# Altium PCB ALCT_MEZ_SPARTAN6T.PcbDoc (part 5 of 12) (continued)
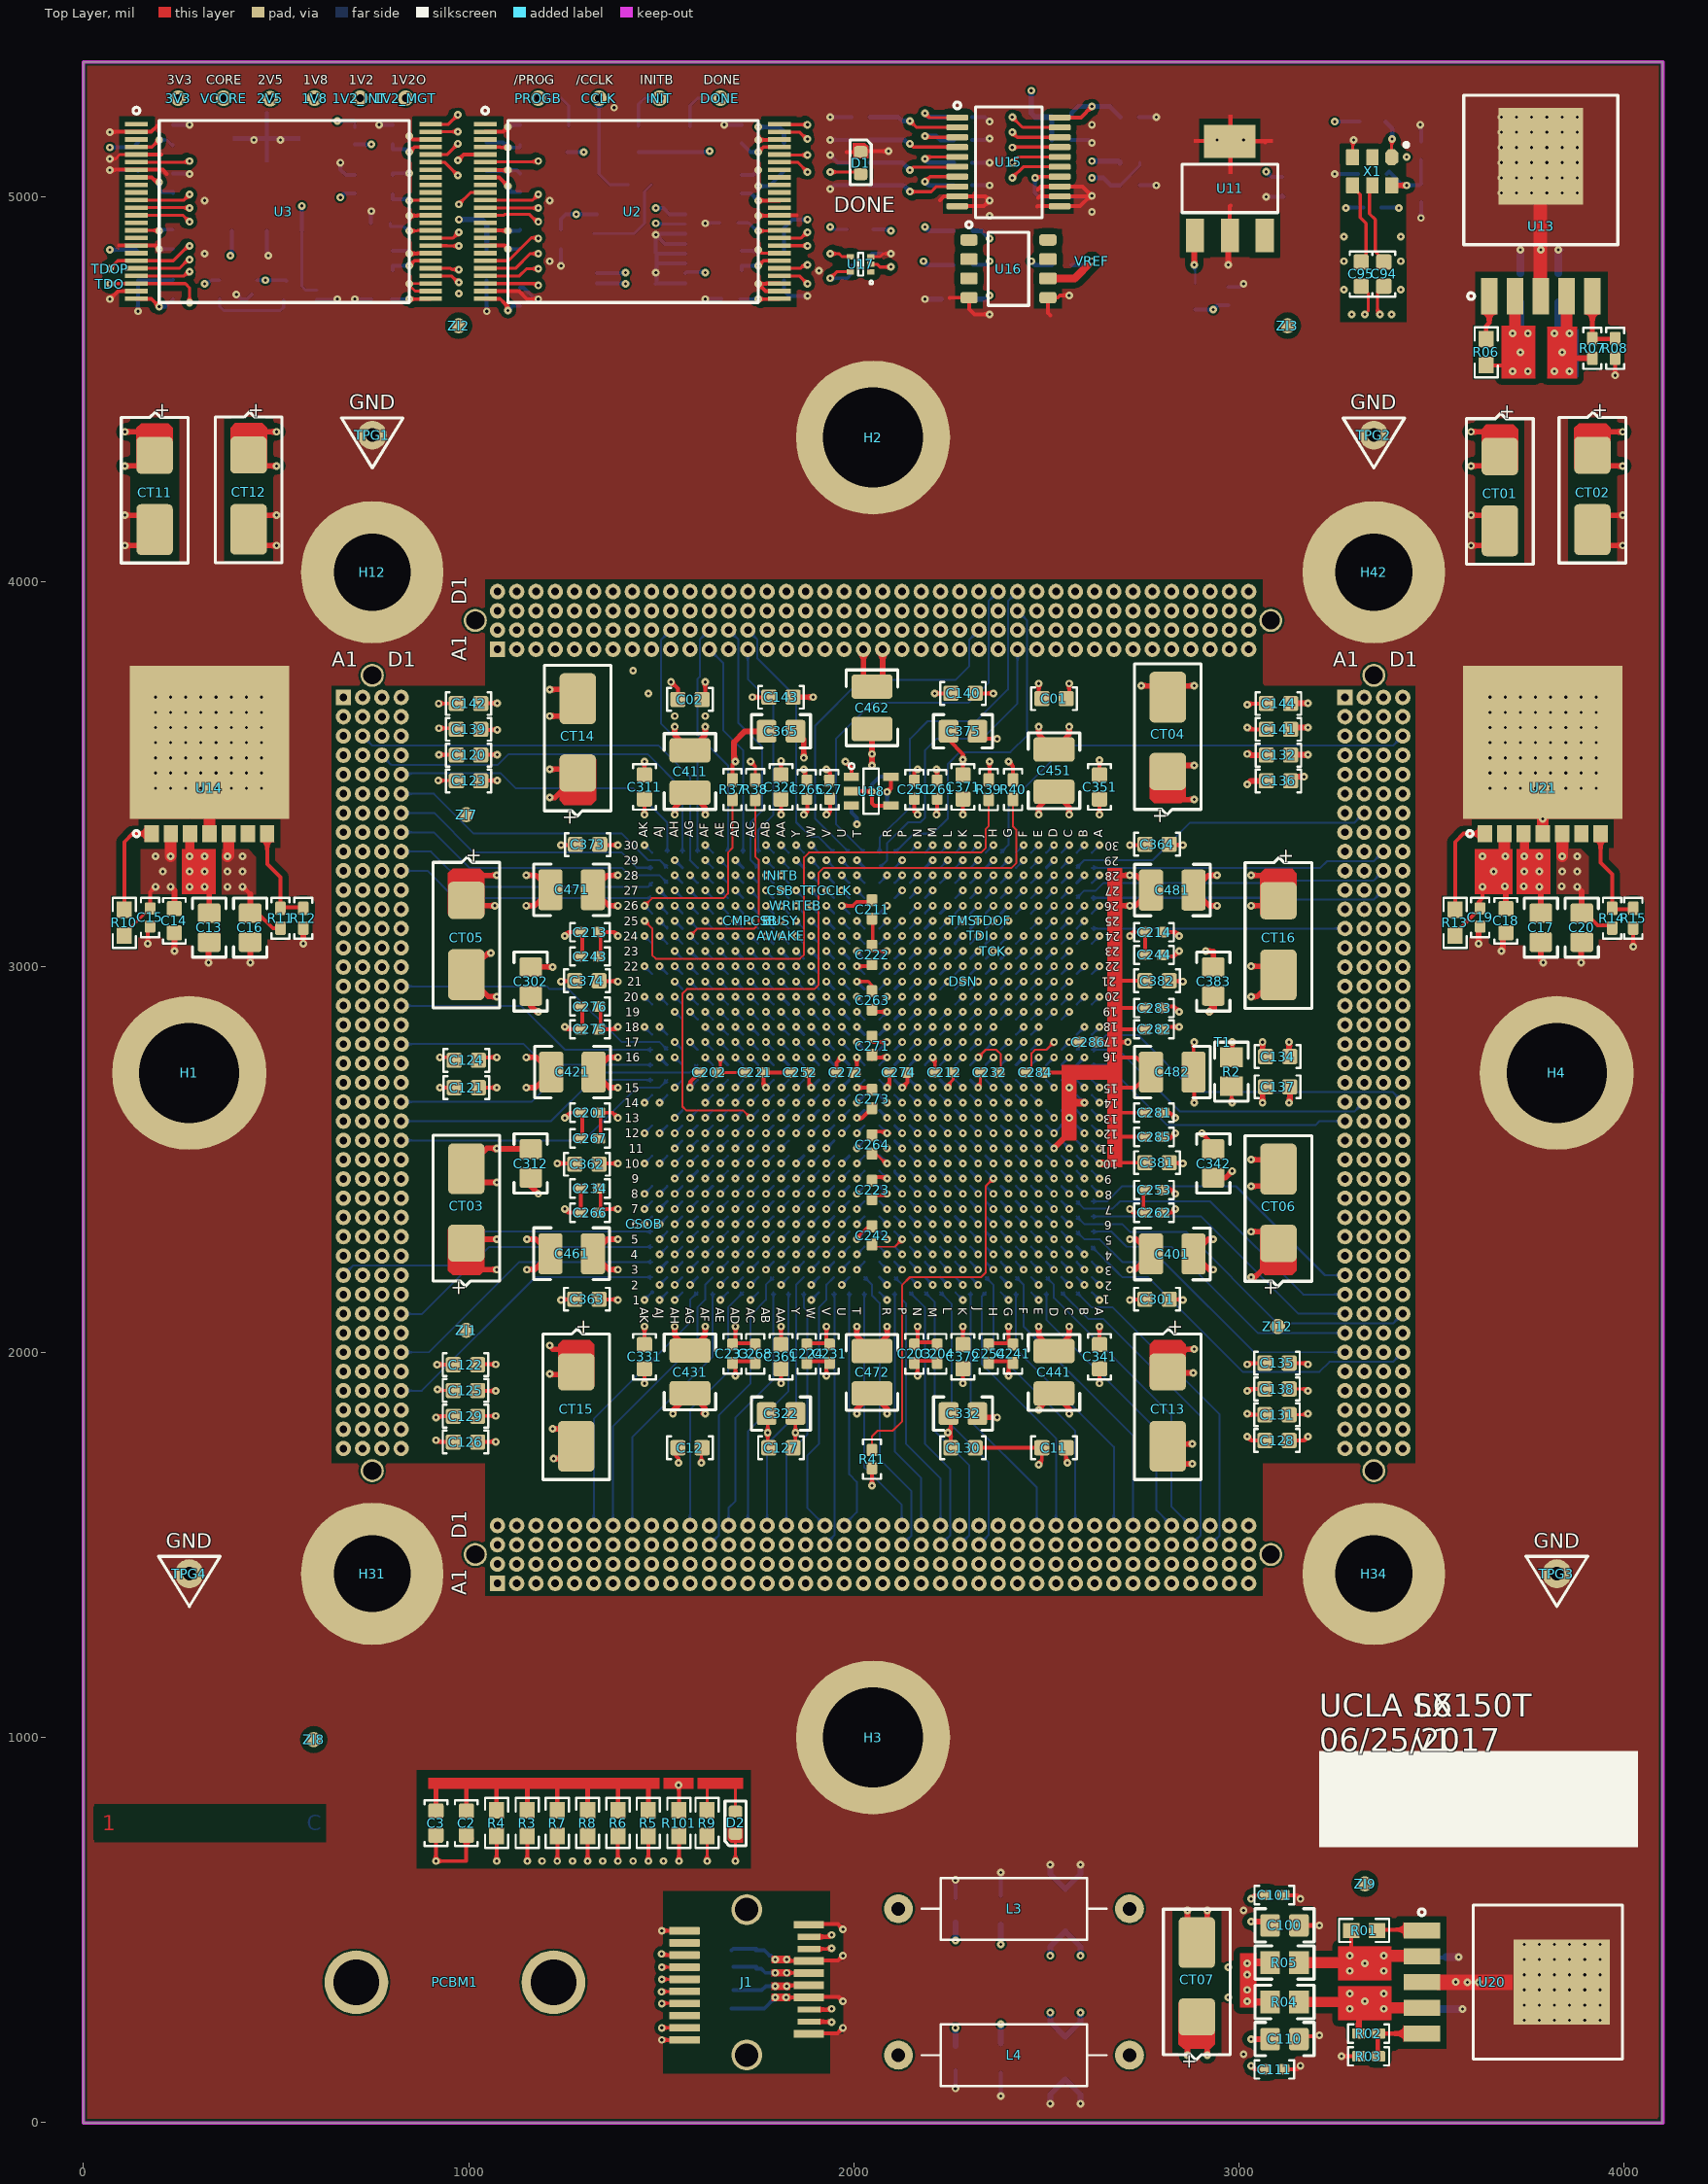
[diagram p0: Top Layer view]
## Nets (pads, with @x,y where several pads share a name; then routed paths per layer and width w, separated by ;. In a path a pad name is that pad's centre, name@x,y a point inside that pad or via, vN(x,y) a via of type N, cw(c..) or ccw(c..) an arc to the next point about the centre after c; other vN are vias at no path point) (continued)
  Mid-Layer 5 w5: v1(1181.1,4812.99) 1141.75,4852.36 1141.75,4931.08 1122.05,4950.79 1035.41,4950.79 1025.76,4960.44 966.14,4960.44 956.3,4970.29 826.98,4970.29 758.27,4901.57 255.91,4901.57 236.22,4881.89 236.22,4822.83 253.94,4805.12 v1(275.59,4805.12) 342.52,4805.12 354.33,4793.31 354.33,4753.94 344.49,4744.09 246.06,4744.09 236.22,4734.25 236.22,4566.93 246.06,4557.09 1131.89,4557.09 1350.5,4338.48 1350.5,3949.5 XP2.C7@1375,3925 ; 1360.49,3939.51 ccw(c1375,3954.02) 1375,3933.5 cw(c1375,3954.02) 1360.49,3939.51 ; 1360.49,3939.51 cw(c1345.98,3925) 1366.5,3925 ccw(c1345.98,3925) 1360.49,3939.51 ; 1351.96,3948.04 ccw(c1375,3971.09) 1375,3938.5 cw(c1375,3971.09) 1351.95,3948.05 cw(c1328.91,3925) 1361.5,3925 ccw(c1328.91,3925) 1351.96,3948.04
  Bottom Layer w6: U1.K25@2263.78,3100.39 v1(2283.48,3120.06)
unused0: U1.L27
unused1: U1.Y11
unused3: U1.G18
unused4: U1.L20
VREF: C32.1 R26.2 U15.14 U16.6 VREF.1 | length 621.8
  Top Layer w8: v1@2470.47,5052.17 U15.14@2534.45,5052.17
  Top Layer w20: U16.6@2504.07,4787.99 2573.43,4787.99 v1(2618.11,4832.68)
  Mid-Layer 5 w20: v1(2470.47,5049.21) 2550.39,4969.29 2550.39,4900.39 v1(2618.11,4832.68)
  Bottom Layer w10: v1(2470.47,5049.21) 2470.47,5009.84 2480.32,5000 C32.1@2515.75,5000 ; v1@2616.14,4834.65 v1(2618.11,4832.68)
  Bottom Layer w12: R26.2@2564.96,4822.83 2604.33,4822.83 v1@2616.14,4834.65
VTBOT: R25.1 U19.1 | length 817.3
  Mid-Layer 2 w20: v1(1535.43,3651.57) v1(1614.17,3651.57) 1929.13,3651.57 2007.87,3572.83 2007.87,3552.02 2017.72,3542.18 2017.72,3444.88 2007.87,3435.04 v1(2007.87,3371.06)
  Bottom Layer w10: U19.1@1994.09,3420.28 1994.09,3401.57 2007.87,3387.8 v1(2007.87,3371.06) ; R25.1@2309.06,4822.83 2342.52,4822.83 v1(2352.36,4832.68)
VTbot_adc: C30.1 R25.2 U15.8 | length 517
  Top Layer w8: v1(2145.67,5013.21) 2201.21,5013.21 2214.57,5026.57 U15.8@2268.7,5026.57
  Mid-Layer 4 w11.81: v1(2145.67,5013.21) 2145.67,4864.17 v1(2181.1,4832.68)
  Bottom Layer w12: C30.1@2041.34,5029.53 2129.36,5029.53 v1(2145.67,5013.21) ; v1(2181.1,4832.68) 2190.94,4822.83 R25.2@2257.87,4822.83
VTTOP: R24.1 U18.1 | length 812.7
  Top Layer w10: v1(1978.35,3533.46) 1994.09,3517.72 U18.1@1994.09,3494.09
  Mid-Layer 2 w20: v1(1427.17,3769.68) 1466.54,3730.32 v1(1466.54,3710.63) 1466.54,3617.13 1491.14,3592.52 1919.29,3592.52 v1(1978.35,3533.46)
  Bottom Layer w12: R24.1@2309.06,4911.42 2332.68,4911.42 v1(2352.36,4891.73)
VTtop_adc: C29.1 R24.2 U15.7 | length 381.8
  Top Layer w8: v1(2185.04,5039.37) 2197.83,5052.17 U15.7@2268.7,5052.17
  Mid-Layer 5 w11.81: v1(2185.04,4921.26) 2185.04,4938.08 2162.13,4960.98 2162.13,4996.78 2185.04,5019.69 v1(2185.04,5039.37)
  Bottom Layer w12: v1(2185.04,4921.26) 2194.88,4911.42 R24.2@2257.87,4911.42 ; v1(2185.04,5039.37) 2194.88,5029.53 C29.1@2259.84,5029.53
XP1A_3: U1.U24 XP1.A3 | length 1944.3
  Mid-Layer 2 w5: XP1.A3@675,3586.5 cw(c675,3553.91) 698.04,3576.96 ; XP1.A3@675,3591.5 cw(c675,3570.98) 689.51,3585.49 ; XP1.A3@675,3586.5 cw(c675,3553.91) 698.05,3576.95 ; XP1.A3@675,3591.5 cw(c675,3570.98) 689.51,3585.49 ; XP1.A3@675,3600 700.5,3574.5 1179.44,3574.5 1259.66,3494.28 1938.79,3494.28 1978.35,3454.72 1978.35,3297.24 1988.03,3287.57 1988.03,3100.21 v1(1968.51,3080.7) ; XP1.A3@683.5,3600 ccw(c704.02,3600) 689.51,3585.49 ; XP1.A3@683.5,3600 ccw(c704.02,3600) 689.51,3585.49 ; XP1.A3@688.5,3600 ccw(c721.09,3600) 698.04,3576.96 ; XP1.A3@688.5,3600 ccw(c721.09,3600) 698.05,3576.95
  Bottom Layer w6: v1(1968.51,3080.7) U1.U24@1988.19,3061.01
XP1A_4: U1.W22 XP1.A4 | length 1686.9
  Mid-Layer 7 w5: XP1.A4@675,3536.5 cw(c675,3503.91) 698.04,3526.96 ; XP1.A4@675,3541.5 cw(c675,3520.98) 689.51,3535.49 ; XP1.A4@675,3536.5 cw(c675,3503.91) 698.05,3526.95 ; XP1.A4@675,3541.5 cw(c675,3520.98) 689.51,3535.49 ; XP1.A4@675,3550 700.5,3524.5 835.15,3524.5 875.69,3483.96 875.69,3398.62 1253.34,3020.97 1448.12,3020.97 1448.62,3021.47 1870.27,3021.47 v1(1889.78,3001.96) ; XP1.A4@683.5,3550 ccw(c704.02,3550) 689.51,3535.49 ; XP1.A4@683.5,3550 ccw(c704.02,3550) 689.51,3535.49 ; XP1.A4@688.5,3550 ccw(c721.09,3550) 698.04,3526.96 ; XP1.A4@688.5,3550 ccw(c721.09,3550) 698.05,3526.95
  Bottom Layer w6: v1(1889.78,3001.96) U1.W22@1909.45,2982.28
XP1A_5: U1.Y22 XP1.A5 | length 1778.9
  Mid-Layer 5 w5: XP1.A5@675,3508.5 ccw(c675,3529.02) 689.51,3514.51 ; XP1.A5@675,3513.5 ccw(c675,3546.09) 698.04,3523.04 ccw(c721.09,3500) XP1.A5@688.5,3500 ; XP1.A5@675,3500 699.5,3524.5 1153.67,3524.5 1312.03,3366.14 1624.02,3366.14 1633.86,3356.3 1633.86,3190.94 1645.84,3178.96 1819.1,3178.96 1830.89,3167.18 1830.89,3021.47 v1(1850.39,3001.96) ; XP1.A5@675,3508.5 ccw(c675,3529.02) 689.51,3514.51 ; XP1.A5@675,3513.5 ccw(c675,3546.09) 698.05,3523.05 ccw(c721.09,3500) XP1.A5@688.5,3500 ; XP1.A5@683.5,3500 cw(c704.02,3500) 689.51,3514.51 ; XP1.A5@683.5,3500 cw(c704.02,3500) 689.51,3514.51
  Bottom Layer w6: v1(1850.39,3001.96) U1.Y22@1870.08,2982.28
XP1A_6: U1.AG28 XP1.A6 | length 1203.4
  Mid-Layer 5 w5: XP1.A6@675,3458.5 ccw(c675,3479.02) 689.51,3464.51 ; XP1.A6@675,3463.5 ccw(c675,3496.09) 698.04,3473.04 ccw(c721.09,3450) XP1.A6@688.5,3450 ; XP1.A6@675,3448.82 XP1.A6@675.59,3449.41 ; XP1.A6@675,3450 699.5,3474.5 835.15,3474.5 845.77,3463.88 1135.04,3463.88 1341.04,3257.87 1555.13,3257.87 v1(1574.82,3238.19) ; XP1.A6@675,3458.5 ccw(c675,3479.02) 689.51,3464.51 ; XP1.A6@675,3463.5 ccw(c675,3496.09) 698.05,3473.05 ccw(c721.09,3450) XP1.A6@688.5,3450 ; XP1.A6@683.5,3450 cw(c704.02,3450) 689.51,3464.51 ; XP1.A6@683.5,3450 cw(c704.02,3450) 689.51,3464.51
  Bottom Layer w6: v1(1574.82,3238.19) U1.AG28@1594.49,3218.5
XP1A_7: U1.AH27 XP1.A7 | length 1160
  Mid-Layer 5 w5: XP1.A7@675,3408.5 ccw(c675,3429.02) 689.51,3414.51 ; XP1.A7@675,3413.5 ccw(c675,3446.09) 698.04,3423.04 ccw(c721.09,3400) XP1.A7@688.5,3400 ; XP1.A7@675,3398.82 XP1.A7@675.59,3399.41 ; XP1.A7@675,3400 700,3425 1104.51,3425 1311.01,3218.5 1515.75,3218.5 v1(1535.44,3198.81) ; XP1.A7@675,3408.5 ccw(c675,3429.02) 689.51,3414.51 ; XP1.A7@675,3413.5 ccw(c675,3446.09) 698.05,3423.05 ccw(c721.09,3400) XP1.A7@688.5,3400 ; XP1.A7@683.5,3400 cw(c704.02,3400) 689.51,3414.51 ; XP1.A7@683.5,3400 cw(c704.02,3400) 689.51,3414.51
  Bottom Layer w6: v1(1535.44,3198.81) U1.AH27@1555.12,3179.13
XP1A_8: U1.AG26 XP1.A8 | length 1194.6
  Mid-Layer 5 w5: XP1.A8@675,3358.5 ccw(c675,3379.02) 689.51,3364.51 ; XP1.A8@675,3363.5 ccw(c675,3396.09) 698.04,3373.04 ccw(c721.09,3350) XP1.A8@688.5,3350 ; XP1.A8@675,3348.82 XP1.A8@675.59,3349.41 ; XP1.A8@675,3350 699.5,3374.5 1094,3374.5 1289.37,3179.13 1555.12,3179.13 v1(1574.81,3159.45) ; XP1.A8@675,3358.5 ccw(c675,3379.02) 689.51,3364.51 ; XP1.A8@675,3363.5 ccw(c675,3396.09) 698.05,3373.05 ccw(c721.09,3350) XP1.A8@688.5,3350 ; XP1.A8@683.5,3350 cw(c704.02,3350) 689.51,3364.51 ; XP1.A8@683.5,3350 cw(c704.02,3350) 689.51,3364.51
  Bottom Layer w6: v1(1574.81,3159.45) U1.AG26@1594.49,3139.76
XP1A_9: U1.AA22 XP1.A9 | length 1538
  Mid-Layer 5 w5: XP1.A9@675,3308.5 ccw(c675,3329.02) 689.51,3314.51 ; XP1.A9@675,3313.5 ccw(c675,3346.09) 698.04,3323.04 ccw(c721.09,3300) XP1.A9@688.5,3300 ; XP1.A9@675,3298.82 XP1.A9@675.59,3299.41 ; XP1.A9@675,3300 700,3325 1090.37,3325 1275.79,3139.58 1476.37,3139.58 1779.74,3139.57 1791.52,3127.79 1791.52,3024 1811.03,3004.49 v1(1811.03,3001.96) ; XP1.A9@675,3308.5 ccw(c675,3329.02) 689.51,3314.51 ; XP1.A9@675,3313.5 ccw(c675,3346.09) 698.05,3323.05 ccw(c721.09,3300) XP1.A9@688.5,3300 ; XP1.A9@683.5,3300 cw(c704.02,3300) 689.51,3314.51 ; XP1.A9@683.5,3300 cw(c704.02,3300) 689.51,3314.51
  Bottom Layer w6: v1(1811.03,3001.96) U1.AA22@1830.71,2982.28
XP1A_10: U1.W21 XP1.A10 | length 1605.4
  Mid-Layer 5 w5: XP1.A10@675,3258.5 ccw(c675,3279.02) 689.51,3264.51 ; XP1.A10@675,3263.5 ccw(c675,3296.09) 698.04,3273.04 ccw(c721.09,3250) XP1.A10@688.5,3250 ; XP1.A10@675,3248.82 XP1.A10@675.59,3249.41 ; XP1.A10@675,3250 700,3275 1077.85,3275 1252.6,3100.26 1722.44,3100.26 1722.5,3100.2 1740.37,3100.2 1752.16,3088.41 1752.16,2993.89 1763.95,2982.1 1870.28,2982.1 v1(1889.78,2962.6) ; XP1.A10@675,3258.5 ccw(c675,3279.02) 689.51,3264.51 ; XP1.A10@675,3263.5 ccw(c675,3296.09) 698.05,3273.05 ccw(c721.09,3250) XP1.A10@688.5,3250 ; XP1.A10@683.5,3250 cw(c704.02,3250) 689.51,3264.51 ; XP1.A10@683.5,3250 cw(c704.02,3250) 689.51,3264.51
  Bottom Layer w6: v1(1889.78,2962.6) U1.W21@1909.45,2942.91
XP1A_11: U1.AC22 XP1.A11 | length 1334
  Mid-Layer 5 w5: XP1.A11@675,3186.5 cw(c675,3153.91) 698.04,3176.96 ; XP1.A11@675,3191.5 cw(c675,3170.98) 689.51,3185.49 ; XP1.A11@675,3186.5 cw(c675,3153.91) 698.05,3176.95 ; XP1.A11@675,3191.5 cw(c675,3170.98) 689.51,3185.49 ; XP1.A11@675,3200 700,3175 1024.79,3175 1177.96,3021.82 1709.9,3021.82 1729.76,3001.96 v1(1732.29,3001.96) ; XP1.A11@683.5,3200 ccw(c704.02,3200) 689.51,3185.49 ; XP1.A11@683.5,3200 ccw(c704.02,3200) 689.51,3185.49 ; XP1.A11@688.5,3200 ccw(c721.09,3200) 698.04,3176.96 ; XP1.A11@688.5,3200 ccw(c721.09,3200) 698.05,3176.95
  Bottom Layer w6: v1(1732.29,3001.96) U1.AC22@1751.98,2982.28
XP1A_12: U1.AC21 XP1.A12 | length 1331.4
  Mid-Layer 5 w5: XP1.A12@675,3136.5 cw(c675,3103.91) 698.04,3126.96 ; XP1.A12@675,3141.5 cw(c675,3120.98) 689.51,3135.49 ; XP1.A12@675,3136.5 cw(c675,3103.91) 698.05,3126.95 ; XP1.A12@675,3141.5 cw(c675,3120.98) 689.51,3135.49 ; XP1.A12@675,3150 699.5,3125.5 952.71,3125.5 953.24,3126.04 1007.82,3126.04 1153.36,2980.5 1226.58,2980.5 1228.18,2982.1 1712.79,2982.1 v1(1732.29,2962.6) ; XP1.A12@683.5,3150 ccw(c704.02,3150) 689.51,3135.49 ; XP1.A12@683.5,3150 ccw(c704.02,3150) 689.51,3135.49 ; XP1.A12@688.5,3150 ccw(c721.09,3150) 698.04,3126.96 ; XP1.A12@688.5,3150 ccw(c721.09,3150) 698.05,3126.95
  Bottom Layer w6: v1(1732.29,2962.6) U1.AC21@1751.98,2942.91
XP1A_13: U1.AB21 XP1.A13 | length 1367
  Mid-Layer 5 w5: XP1.A13@675,3086.5 cw(c675,3053.91) 698.04,3076.96 ; XP1.A13@675,3091.5 cw(c675,3070.98) 689.51,3085.49 ; XP1.A13@675,3086.5 cw(c675,3053.91) 698.05,3076.95 ; XP1.A13@675,3091.5 cw(c675,3070.98) 689.51,3085.49 ; XP1.A13@675,3100 700,3075 991.91,3075 1123.82,2943.09 1752.15,2943.09 v1(1771.66,2962.6) v1@1769.13,2962.6 ; XP1.A13@683.5,3100 ccw(c704.02,3100) 689.51,3085.49 ; XP1.A13@683.5,3100 ccw(c704.02,3100) 689.51,3085.49 ; XP1.A13@688.5,3100 ccw(c721.09,3100) 698.04,3076.96 ; XP1.A13@688.5,3100 ccw(c721.09,3100) 698.05,3076.95
  Bottom Layer w6: v1(1771.66,2962.6) U1.AB21@1791.34,2942.91
XP1A_14: U1.AC19 XP1.A14 | length 1320.8
  Mid-Layer 5 w5: XP1.A14@675,3036.5 cw(c675,3003.91) 698.04,3026.96 ; XP1.A14@675,3041.5 cw(c675,3020.98) 689.51,3035.49 ; XP1.A14@675,3036.5 cw(c675,3003.91) 698.05,3026.95 ; XP1.A14@675,3041.5 cw(c675,3020.98) 689.51,3035.49 ; XP1.A14@675,3050 700,3025 998.64,3025 1119.96,2903.68 1712.46,2903.68 v1(1732.3,2883.84) ; XP1.A14@683.5,3050 ccw(c704.02,3050) 689.51,3035.49 ; XP1.A14@683.5,3050 ccw(c704.02,3050) 689.51,3035.49 ; XP1.A14@688.5,3050 ccw(c721.09,3050) 698.04,3026.96 ; XP1.A14@688.5,3050 ccw(c721.09,3050) 698.05,3026.95
  Bottom Layer w6: v1(1732.3,2883.84) U1.AC19@1751.98,2864.16
XP1A_15: U1.AB19 XP1.A15 | length 1355.6
  Mid-Layer 5 w5: XP1.A15@675,2986.5 cw(c675,2953.91) 698.04,2976.96 ; XP1.A15@675,2991.5 cw(c675,2970.98) 689.51,2985.49 ; XP1.A15@675,2986.5 cw(c675,2953.91) 698.05,2976.95 ; XP1.A15@675,2991.5 cw(c675,2970.98) 689.51,2985.49 ; XP1.A15@675,3000 700,2975 993.49,2975 1104.16,2864.33 1752.16,2864.33 v1(1771.67,2883.84) ; XP1.A15@683.5,3000 ccw(c704.02,3000) 689.51,2985.49 ; XP1.A15@683.5,3000 ccw(c704.02,3000) 689.51,2985.49 ; XP1.A15@688.5,3000 ccw(c721.09,3000) 698.04,2976.96 ; XP1.A15@688.5,3000 ccw(c721.09,3000) 698.05,2976.95
  Bottom Layer w6: v1(1771.67,2883.84) U1.AB19@1791.34,2864.17
XP1A_16: U1.AB18 XP1.A16 | length 1351.2
  Mid-Layer 5 w5: XP1.A16@675,2936.5 cw(c675,2903.91) 698.04,2926.96 ; XP1.A16@675,2941.5 cw(c675,2920.98) 689.51,2935.49 ; XP1.A16@675,2936.5 cw(c675,2903.91) 698.05,2926.95 ; XP1.A16@675,2941.5 cw(c675,2920.98) 689.51,2935.49 ; XP1.A16@675,2950 700,2925 982.48,2925 1082.51,2824.97 1752.15,2824.97 v1(1771.66,2844.48) ; XP1.A16@683.5,2950 ccw(c704.02,2950) 689.51,2935.49 ; XP1.A16@683.5,2950 ccw(c704.02,2950) 689.51,2935.49 ; XP1.A16@688.5,2950 ccw(c721.09,2950) 698.04,2926.96 ; XP1.A16@688.5,2950 ccw(c721.09,2950) 698.05,2926.95
  Bottom Layer w6: v1(1771.66,2844.48) U1.AB18@1791.34,2824.8
XP1A_17: U1.Y12 XP1.A17 | length 1648
  Mid-Layer 4 w5: XP1.A17@675,2908.5 ccw(c675,2929.02) 689.51,2914.51 ; XP1.A17@675,2913.5 ccw(c675,2946.09) 698.04,2923.04 ccw(c721.09,2900) XP1.A17@688.5,2900 ; XP1.A17@675,2900 700,2925 875.98,2925 1054.92,2746.06 1850.39,2746.06 1870.08,2726.38 1870.08,2657.67 1869.89,2657.48 1869.89,2588.39 v1(1850.39,2568.89) ; XP1.A17@675,2908.5 ccw(c675,2929.02) 689.51,2914.51 ; XP1.A17@675,2913.5 ccw(c675,2946.09) 698.05,2923.05 ccw(c721.09,2900) XP1.A17@688.5,2900 ; XP1.A17@683.5,2900 cw(c704.02,2900) 689.51,2914.51 ; XP1.A17@683.5,2900 cw(c704.02,2900) 689.51,2914.51
  Bottom Layer w6: v1(1850.39,2568.89) U1.Y12@1870.08,2588.58
XP1A_18: U1.AA17 XP1.A18 | length 1365.6
  Mid-Layer 5 w5: XP1.A18@675,2836.5 cw(c675,2803.91) 698.04,2826.96 ; XP1.A18@675,2841.5 cw(c675,2820.98) 689.51,2835.49 ; XP1.A18@675,2836.5 cw(c675,2803.91) 698.05,2826.95 ; XP1.A18@675,2841.5 cw(c675,2820.98) 689.51,2835.49 ; XP1.A18@675,2850 700,2825 1023.42,2825 1062.99,2785.43 1791.35,2785.43 v1(1811.03,2805.11) ; XP1.A18@683.5,2850 ccw(c704.02,2850) 689.51,2835.49 ; XP1.A18@683.5,2850 ccw(c704.02,2850) 689.51,2835.49 ; XP1.A18@688.5,2850 ccw(c721.09,2850) 698.04,2826.96 ; XP1.A18@688.5,2850 ccw(c721.09,2850) 698.05,2826.95
  Bottom Layer w6: v1(1811.03,2805.11) U1.AA17@1830.71,2785.43
XP1A_19: U1.Y17 XP1.A19 | length 1450.5
  Mid-Layer 7 w5: XP1.A19@675,2786.5 cw(c675,2753.91) 698.04,2776.96 ; XP1.A19@675,2791.5 cw(c675,2770.98) 689.51,2785.49 ; XP1.A19@675,2786.5 cw(c675,2753.91) 698.05,2776.95 ; XP1.A19@675,2791.5 cw(c675,2770.98) 689.51,2785.49 ; XP1.A19@675,2800 700,2775 875.98,2775 924.61,2726.38 1801.18,2726.38 1830.89,2756.09 1830.89,2785.61 v1(1850.39,2805.11) ; XP1.A19@683.5,2800 ccw(c704.02,2800) 689.51,2785.49 ; XP1.A19@683.5,2800 ccw(c704.02,2800) 689.51,2785.49 ; XP1.A19@688.5,2800 ccw(c721.09,2800) 698.04,2776.96 ; XP1.A19@688.5,2800 ccw(c721.09,2800) 698.05,2776.95
  Bottom Layer w6: v1(1850.39,2805.11) U1.Y17@1870.08,2785.43
XP1A_22: U1.W14 XP1.A22 | length 1558.9
  Mid-Layer 5 w5: XP1.A22@675,2658.5 ccw(c675,2679.02) 689.51,2664.51 ; XP1.A22@675,2663.5 ccw(c675,2696.09) 698.04,2673.04 ccw(c721.09,2650) XP1.A22@688.5,2650 ; XP1.A22@675,2648.82 XP1.A22@675.59,2649.41 ; XP1.A22@675,2650 700,2675 885.61,2675 956.67,2746.06 1879.92,2746.06 1909.28,2716.71 1909.28,2667.55 1889.78,2648.05 v1(1889.78,2647.63) ; XP1.A22@675,2658.5 ccw(c675,2679.02) 689.51,2664.51 ; XP1.A22@675,2663.5 ccw(c675,2696.09) 698.05,2673.05 ccw(c721.09,2650) XP1.A22@688.5,2650 ; XP1.A22@683.5,2650 cw(c704.02,2650) 689.51,2664.51 ; XP1.A22@683.5,2650 cw(c704.02,2650) 689.51,2664.51
  Bottom Layer w6: v1(1889.78,2647.63) U1.W14@1909.46,2667.31
XP1A_23: U1.Y15 XP1.A23 | length 1433.4
  Mid-Layer 5 w5: XP1.A23@675,2608.5 ccw(c675,2629.02) 689.51,2614.51 ; XP1.A23@675,2613.5 ccw(c675,2646.09) 698.04,2623.04 ccw(c721.09,2600) XP1.A23@688.5,2600 ; XP1.A23@675,2598.82 676.19,2600 XP1.A23@675,2600 700,2625 929.63,2625 1021.16,2716.54 1820.85,2716.54 v1(1850.39,2686.99) ; XP1.A23@675,2608.5 ccw(c675,2629.02) 689.51,2614.51 ; XP1.A23@675,2613.5 ccw(c675,2646.09) 698.05,2623.05 ccw(c721.09,2600) XP1.A23@688.5,2600 ; XP1.A23@683.5,2600 cw(c704.02,2600) 689.51,2614.51 ; XP1.A23@683.5,2600 cw(c704.02,2600) 689.51,2614.51
  Bottom Layer w6: v1(1850.39,2686.99) U1.Y15@1870.08,2706.69
XP1A_24: U1.AC14 XP1.A24 | length 1309.4
  Mid-Layer 5 w5: XP1.A24@675,2558.5 ccw(c675,2579.02) 689.51,2564.51 ; XP1.A24@675,2563.5 ccw(c675,2596.09) 698.04,2573.04 ccw(c721.09,2550) XP1.A24@688.5,2550 ; XP1.A24@675,2548.82 XP1.A24@675.59,2549.41 ; XP1.A24@675,2550 700,2575 941.14,2575 1033.28,2667.14 1712.78,2667.14 v1(1732.29,2647.63) ; XP1.A24@675,2558.5 ccw(c675,2579.02) 689.51,2564.51 ; XP1.A24@675,2563.5 ccw(c675,2596.09) 698.05,2573.05 ccw(c721.09,2550) XP1.A24@688.5,2550 ; XP1.A24@683.5,2550 cw(c704.02,2550) 689.51,2564.51 ; XP1.A24@683.5,2550 cw(c704.02,2550) 689.51,2564.51
  Bottom Layer w6: v1(1732.29,2647.63) U1.AC14@1751.98,2667.31
XP1A_25: U1.AB14 XP1.A25 | length 1353.3
  Mid-Layer 5 w5: XP1.A25@675,2508.5 ccw(c675,2529.02) 689.51,2514.51 ; XP1.A25@675,2513.5 ccw(c675,2546.09) 698.04,2523.04 ccw(c721.09,2500) XP1.A25@688.5,2500 ; XP1.A25@675,2498.82 XP1.A25@675.59,2499.41 ; XP1.A25@675,2500 700,2525 967.42,2525 1070.2,2627.78 1751.81,2627.78 v1(1771.66,2647.63) ; XP1.A25@675,2508.5 ccw(c675,2529.02) 689.51,2514.51 ; XP1.A25@675,2513.5 ccw(c675,2546.09) 698.05,2523.05 ccw(c721.09,2500) XP1.A25@688.5,2500 ; XP1.A25@683.5,2500 cw(c704.02,2500) 689.51,2514.51 ; XP1.A25@683.5,2500 cw(c704.02,2500) 689.51,2514.51
  Bottom Layer w6: v1(1771.66,2647.63) U1.AB14@1791.34,2667.31
XP1A_26: U1.AC12 XP1.A26 | length 1318.2
  Mid-Layer 5 w5: XP1.A26@675,2458.5 ccw(c675,2479.02) 689.51,2464.51 ; XP1.A26@675,2463.5 ccw(c675,2496.09) 698.04,2473.04 ccw(c721.09,2450) XP1.A26@688.5,2450 ; XP1.A26@675,2448.82 XP1.A26@675.59,2449.41 ; XP1.A26@675,2450 700,2475 990.73,2475 1104.13,2588.4 1712.79,2588.4 v1(1732.29,2568.89) ; XP1.A26@675,2458.5 ccw(c675,2479.02) 689.51,2464.51 ; XP1.A26@675,2463.5 ccw(c675,2496.09) 698.05,2473.05 ccw(c721.09,2450) XP1.A26@688.5,2450 ; XP1.A26@683.5,2450 cw(c704.02,2450) 689.51,2464.51 ; XP1.A26@683.5,2450 cw(c704.02,2450) 689.51,2464.51
  Bottom Layer w6: v1(1732.29,2568.89) U1.AC12@1751.98,2588.58
XP1A_27: U1.AB12 XP1.A27 | length 1362.2
  Mid-Layer 5 w5: XP1.A27@675,2408.5 ccw(c675,2429.02) 689.51,2414.51 ; XP1.A27@675,2413.5 ccw(c675,2446.09) 698.04,2423.04 ccw(c721.09,2400) XP1.A27@688.5,2400 ; XP1.A27@675,2398.82 XP1.A27@675.59,2399.41 ; XP1.A27@675,2400 700,2425 1029.31,2425 1153.47,2549.16 1740.42,2549.16 1740.55,2549.04 1751.8,2549.04 v1(1771.66,2568.89) ; XP1.A27@675,2408.5 ccw(c675,2429.02) 689.51,2414.51 ; XP1.A27@675,2413.5 ccw(c675,2446.09) 698.05,2423.05 ccw(c721.09,2400) XP1.A27@688.5,2400 ; XP1.A27@683.5,2400 cw(c704.02,2400) 689.51,2414.51 ; XP1.A27@683.5,2400 cw(c704.02,2400) 689.51,2414.51
  Bottom Layer w6: v1(1771.66,2568.89) U1.AB12@1791.34,2588.58
XP1A_28: U1.AC11 XP1.A28 | length 1329.2
  Mid-Layer 5 w5: XP1.A28@675,2358.5 ccw(c675,2379.02) 689.51,2364.51 ; XP1.A28@675,2363.5 ccw(c675,2396.09) 698.04,2373.04 ccw(c721.09,2350) XP1.A28@688.5,2350 ; XP1.A28@675,2348.82 676.19,2350 XP1.A28@675,2350 700,2375 1065.95,2375 1200.79,2509.84 1712.61,2509.84 v1(1732.29,2529.53) ; XP1.A28@675,2358.5 ccw(c675,2379.02) 689.51,2364.51 ; XP1.A28@675,2363.5 ccw(c675,2396.09) 698.05,2373.05 ccw(c721.09,2350) XP1.A28@688.5,2350 ; XP1.A28@683.5,2350 cw(c704.02,2350) 689.51,2364.51 ; XP1.A28@683.5,2350 cw(c704.02,2350) 689.51,2364.51
  Bottom Layer w6: v1(1732.29,2529.53) U1.AC11@1751.98,2549.21
XP1A_29: U1.AD10 XP1.A29 | length 1294.2
  Mid-Layer 5 w5: XP1.A29@675,2308.5 ccw(c675,2329.02) 689.51,2314.51 ; XP1.A29@675,2313.5 ccw(c675,2346.09) 698.04,2323.04 ccw(c721.09,2300) XP1.A29@688.5,2300 ; XP1.A29@675,2298.82 676.18,2300 XP1.A29@675,2300 700,2325 1067.11,2325 1212.4,2470.3 1673.08,2470.3 v1(1692.93,2490.14) ; XP1.A29@675,2308.5 ccw(c675,2329.02) 689.51,2314.51 ; XP1.A29@675,2313.5 ccw(c675,2346.09) 698.05,2323.05 ccw(c721.09,2300) XP1.A29@688.5,2300 ; XP1.A29@683.5,2300 cw(c704.02,2300) 689.51,2314.51 ; XP1.A29@683.5,2300 cw(c704.02,2300) 689.51,2314.51
  Bottom Layer w6: v1(1692.93,2490.14) U1.AD10@1712.6,2509.84
XP1A_30: U1.AD8 XP1.A30 | length 1299.8
  Mid-Layer 5 w5: XP1.A30@675,2236.5 cw(c675,2203.91) 698.04,2226.96 ; XP1.A30@675,2241.5 cw(c675,2220.98) 689.51,2235.49 ; XP1.A30@675,2236.5 cw(c675,2203.91) 698.05,2226.95 ; XP1.A30@675,2241.5 cw(c675,2220.98) 689.51,2235.49 ; XP1.A30@675,2250 699.5,2225.5 856.81,2225.5 865.37,2234.07 1141.55,2234.07 1299.04,2391.56 1673.07,2391.56 v1(1692.93,2411.41) ; XP1.A30@683.5,2250 ccw(c704.02,2250) 689.51,2235.49 ; XP1.A30@683.5,2250 ccw(c704.02,2250) 689.51,2235.49 ; XP1.A30@688.5,2250 ccw(c721.09,2250) 698.04,2226.96 ; XP1.A30@688.5,2250 ccw(c721.09,2250) 698.05,2226.95
  Bottom Layer w6: v1(1692.93,2411.41) U1.AD8@1712.6,2431.1
XP1A_31: U1.AK5 XP1.A31 | length 1042
  Bottom Layer w5: XP1.A31@675,2208.5 ccw(c675,2229.02) 689.51,2214.51 ; XP1.A31@675,2213.5 ccw(c675,2246.09) 698.04,2223.04 ccw(c721.09,2200) XP1.A31@688.5,2200 ; XP1.A31@675,2198.82 676.18,2200 XP1.A31@675,2200 700,2225 955.31,2225 1043.31,2312.99 U1.AK5@1476.38,2312.99 ; XP1.A31@675,2208.5 ccw(c675,2229.02) 689.51,2214.51 ; XP1.A31@675,2213.5 ccw(c675,2246.09) 698.05,2223.05 ccw(c721.1,2200) XP1.A31@688.5,2200 ; XP1.A31@683.5,2200 cw(c704.02,2200) 689.51,2214.51 ; XP1.A31@683.5,2200 cw(c704.02,2200) 689.51,2214.51 ; U1.AK5@1471.88,2308.5 ccw(c1461.03,2297.64) 1461.03,2312.99 ccw(c1461.03,2328.34) U1.AK5@1471.88,2317.49
XP1A_32: U1.AG7 XP1.A32 | length 1206.4
  Mid-Layer 5 w5: XP1.A32@675,2136.5 cw(c675,2106.75) 696.03,2127.79 ccw(c675,2106.77) XP1.A32@675,2136.5 ; XP1.A32@675,2141.5 cw(c675,2123.82) 687.5,2136.32 ccw(c675,2123.84) XP1.A32@675,2141.5 ; XP1.A32@675,2148.82 698.82,2125 ; XP1.A32@683.5,2149.99 ccw(c706.73,2149.95) 690.3,2133.52 cw(c706.73,2149.94) XP1.A32@683.5,2149.98 ; XP1.A32@688.5,2149.98 ccw(c723.74,2149.92) 698.82,2125 ; XP1.A32@688.5,2149.97 ccw(c723.72,2149.9) 698.82,2125 ; v1(1574.81,2372.04) 1555.13,2352.36 1316.95,2352.36 1089.59,2125 698.82,2125
  Bottom Layer w6: v1(1574.81,2372.04) U1.AG7@1594.49,2391.73
XP1A_33: U1.AF9 XP1.A33 | length 1299.9
  Mid-Layer 4 w5: XP1.A33@675,2086.5 cw(c675,2053.91) 698.04,2076.96 ; XP1.A33@675,2091.5 cw(c675,2070.98) 689.51,2085.49 ; XP1.A33@675,2086.5 cw(c675,2053.91) 698.05,2076.95 ; XP1.A33@675,2091.5 cw(c675,2070.98) 689.51,2085.49 ; XP1.A33@675,2100 700,2075 1054.04,2075 1410.14,2431.1 1594.5,2431.1 v1(1614.18,2450.78) ; XP1.A33@683.5,2100 ccw(c704.02,2100) 689.51,2085.49 ; XP1.A33@683.5,2100 ccw(c704.02,2100) 689.51,2085.49 ; XP1.A33@688.5,2100 ccw(c721.09,2100) 698.04,2076.96 ; XP1.A33@688.5,2100 ccw(c721.09,2100) 698.05,2076.95
  Bottom Layer w6: v1(1614.18,2450.78) U1.AF9@1633.86,2470.47
XP1A_34: U1.AD7 XP1.A34 | length 1356.1
  Mid-Layer 5 w5: XP1.A34@675,2058.5 ccw(c675,2079.02) 689.51,2064.51 ; XP1.A34@675,2063.5 ccw(c675,2096.09) 698.04,2073.04 ccw(c721.09,2050) XP1.A34@688.5,2050 ; XP1.A34@675,2048.82 XP1.A34@675.59,2049.41 ; XP1.A34@675,2050 700,2075 1093.21,2075 1331.39,2313.18 1622.25,2313.18 1634.06,2324.98 1634.06,2340.75 1645.48,2352.18 1673.06,2352.18 v1(1692.93,2372.04) ; XP1.A34@675,2058.5 ccw(c675,2079.02) 689.51,2064.51 ; XP1.A34@675,2063.5 ccw(c675,2096.09) 698.05,2073.05 ccw(c721.09,2050) XP1.A34@688.5,2050 ; XP1.A34@683.5,2050 cw(c704.02,2050) 689.51,2064.51 ; XP1.A34@683.5,2050 cw(c704.02,2050) 689.51,2064.51
  Bottom Layer w6: v1(1692.93,2372.04) U1.AD7@1712.6,2391.73
XP1A_35: U1.AF6 XP1.A35 | length 1292.4
  Mid-Layer 4 w5: XP1.A35@675,1986.5 cw(c675,1953.91) 698.04,1976.96 ; XP1.A35@675,1991.5 cw(c675,1970.98) 689.51,1985.49 ; XP1.A35@675,1986.5 cw(c675,1953.91) 698.05,1976.95 ; XP1.A35@675,1991.5 cw(c675,1970.98) 689.51,1985.49 ; XP1.A35@675,2000 700,1975 866.73,1975 885.83,1994.09 1127.95,1994.09 1446.85,2312.99 1594.49,2312.99 v1(1614.18,2332.68) ; XP1.A35@683.5,2000 ccw(c704.02,2000) 689.51,1985.49 ; XP1.A35@683.5,2000 ccw(c704.02,2000) 689.51,1985.49 ; XP1.A35@688.5,2000 ccw(c721.09,2000) 698.04,1976.96 ; XP1.A35@688.5,2000 ccw(c721.09,2000) 698.05,1976.95
  Bottom Layer w6: v1(1614.18,2332.68) U1.AF6@1633.86,2352.36
XP1A_36: U1.AC9 XP1.A36 | length 1533.8
  Mid-Layer 5 w5: XP1.A36@675,1958.5 ccw(c675,1979.02) 689.51,1964.51 ; XP1.A36@675,1963.5 ccw(c675,1996.09) 698.04,1973.04 ccw(c721.09,1950) XP1.A36@688.5,1950 ; XP1.A36@675,1948.82 676.19,1950 XP1.A36@675,1950 700,1975 852.95,1975 865.96,1988 1064.76,1988 1350.38,2273.62 1661.46,2273.62 1673.06,2285.22 1673.06,2301.03 1684.84,2312.81 1700.63,2312.81 1712.43,2324.6 1712.43,2430.91 v1(1732.29,2450.78) ; XP1.A36@675,1958.5 ccw(c675,1979.02) 689.51,1964.51 ; XP1.A36@675,1963.5 ccw(c675,1996.09) 698.05,1973.05 ccw(c721.09,1950) XP1.A36@688.5,1950 ; XP1.A36@683.5,1950 cw(c704.02,1950) 689.51,1964.51 ; XP1.A36@683.5,1950 cw(c704.02,1950) 689.51,1964.51
  Bottom Layer w6: v1(1732.29,2450.78) U1.AC9@1751.98,2470.46
XP1A_37: U1.AG4 XP1.A37 | length 1242.3
  Mid-Layer 4 w5: XP1.A37@675,1908.5 ccw(c675,1929.02) 689.51,1914.51 ; XP1.A37@675,1913.5 ccw(c675,1946.09) 698.04,1923.04 ccw(c721.09,1900) XP1.A37@688.5,1900 ; XP1.A37@675,1898.82 XP1.A37@675,1900 700,1925 1149.39,1925 1458.64,2234.25 1555.13,2234.25 v1(1574.81,2253.93) ; XP1.A37@675,1908.5 ccw(c675,1929.02) 689.51,1914.51 ; XP1.A37@675,1913.5 ccw(c675,1946.09) 698.05,1923.05 ccw(c721.09,1900) XP1.A37@688.5,1900 ; XP1.A37@683.5,1900 cw(c704.02,1900) 689.51,1914.51 ; XP1.A37@683.5,1900 cw(c704.02,1900) 689.51,1914.51
  Bottom Layer w6: v1(1574.81,2253.93) U1.AG4@1594.49,2273.61
XP1A_38: U1.AD3 XP1.A38 | length 1363.6
  Mid-Layer 5 w5: XP1.A38@675,1858.5 ccw(c675,1879.02) 689.51,1864.51 ; XP1.A38@675,1863.5 ccw(c675,1896.09) 698.04,1873.04 ccw(c721.09,1850) XP1.A38@688.5,1850 ; XP1.A38@675,1850 699.5,1874.5 1098.89,1874.5 1419.27,2194.88 1673.23,2194.88 v1(1692.91,2214.57) ; XP1.A38@675,1858.5 ccw(c675,1879.02) 689.51,1864.51 ; XP1.A38@675,1863.5 ccw(c675,1896.09) 698.05,1873.05 ccw(c721.09,1850) XP1.A38@688.5,1850 ; XP1.A38@683.5,1850 cw(c704.02,1850) 689.51,1864.51 ; XP1.A38@683.5,1850 cw(c704.02,1850) 689.51,1864.51
  Bottom Layer w6: v1(1692.91,2214.57) U1.AD3@1712.6,2234.25
XP1B_3: U1.AG29 XP1.B3 | length 1304.9
  Bottom Layer w5: XP1.B3@725,3586.5 cw(c725,3553.91) 748.04,3576.96 ; XP1.B3@725,3591.5 cw(c725,3570.98) 739.51,3585.49 ; XP1.B3@725,3586.5 cw(c725,3553.91) 748.05,3576.95 ; XP1.B3@725,3591.5 cw(c725,3570.98) 739.51,3585.49 ; XP1.B3@725,3600 750,3575 1493.9,3575 1574.8,3494.09 1574.8,3277.56 ; XP1.B3@733.5,3600 ccw(c754.02,3600) 739.51,3585.49 ; XP1.B3@733.5,3600 ccw(c754.02,3600) 739.51,3585.49 ; XP1.B3@738.5,3600 ccw(c771.09,3600) 748.04,3576.96 ; XP1.B3@738.5,3600 ccw(c771.1,3600) 748.05,3576.95
  Bottom Layer w6: 1574.8,3277.56 U1.AG29@1594.49,3257.87
XP1B_4: U1.U25 XP1.B4 | length 1789.3
  Mid-Layer 2 w5: XP1.B4@725,3536.5 cw(c725,3503.91) 748.04,3526.96 ; XP1.B4@725,3541.5 cw(c725,3520.98) 739.51,3535.49 ; XP1.B4@725,3536.5 cw(c725,3503.91) 748.05,3526.95 ; XP1.B4@725,3541.5 cw(c725,3520.98) 739.51,3535.49 ; XP1.B4@725,3550 750.5,3524.5 1155.43,3524.5 1215.55,3464.38 1919.48,3464.38 1948.66,3435.2 1948.66,3139.91 v1(1968.51,3120.06) ; XP1.B4@733.5,3550 ccw(c754.02,3550) 739.51,3535.49 ; XP1.B4@733.5,3550 ccw(c754.02,3550) 739.51,3535.49 ; XP1.B4@738.5,3550 ccw(c771.09,3550) 748.04,3526.96 ; XP1.B4@738.5,3550 ccw(c771.09,3550) 748.05,3526.95
  Bottom Layer w6: v1(1968.51,3120.06) U1.U25@1988.19,3100.39
XP1B_5: U1.AH26 XP1.B5 | length 1167.4
  Mid-Layer 1 w5: XP1.B5@725,3508.5 ccw(c725,3531.89) 741.54,3515.35 cw(c725,3531.87) XP1.B5@725,3508.5 ; XP1.B5@725,3513.5 ccw(c725,3548.96) 750.07,3523.89 cw(c725,3548.94) XP1.B5@725,3513.5 ; XP1.B5@725,3498.82 751.19,3525 1073.41,3525 1419.27,3179.13 1515.75,3179.13 v1(1535.44,3159.45) ; XP1.B5@733.5,3500 cw(c751.14,3500) 738.66,3512.48 ccw(c751.17,3500) XP1.B5@733.5,3500 ; XP1.B5@738.5,3500 cw(c768.21,3500) 747.2,3521.01 ccw(c768.24,3500) XP1.B5@738.5,3500
  Bottom Layer w6: v1(1535.44,3159.45) U1.AH26@1555.12,3139.76
XP1B_6: U1.V26 XP1.B6 | length 1662.1
  Mid-Layer 2 w5: XP1.B6@725,3458.5 ccw(c725,3479.02) 739.51,3464.51 ; XP1.B6@725,3463.5 ccw(c725,3496.09) 748.04,3473.04 ccw(c771.09,3450) XP1.B6@738.5,3450 ; XP1.B6@725,3448.82 XP1.B6@725.59,3449.41 ; XP1.B6@725,3450 750,3475 864.91,3475 865.23,3475.32 925.38,3415.17 1880.11,3415.17 1909.29,3385.98 1909.29,3179.3 v1(1929.14,3159.45) ; XP1.B6@725,3458.5 ccw(c725,3479.02) 739.51,3464.51 ; XP1.B6@725,3463.5 ccw(c725,3496.09) 748.05,3473.05 ccw(c771.09,3450) XP1.B6@738.5,3450 ; XP1.B6@733.5,3450 cw(c754.02,3450) 739.51,3464.51 ; XP1.B6@733.5,3450 cw(c754.02,3450) 739.51,3464.51
  Bottom Layer w6: v1(1929.14,3159.45) U1.V26@1948.82,3139.76